# KiCad board panel.kicad_pcb
title: Helios; date: 2022-09-17; rev: rev1.0; company: 0xCB; note: Conor Burns
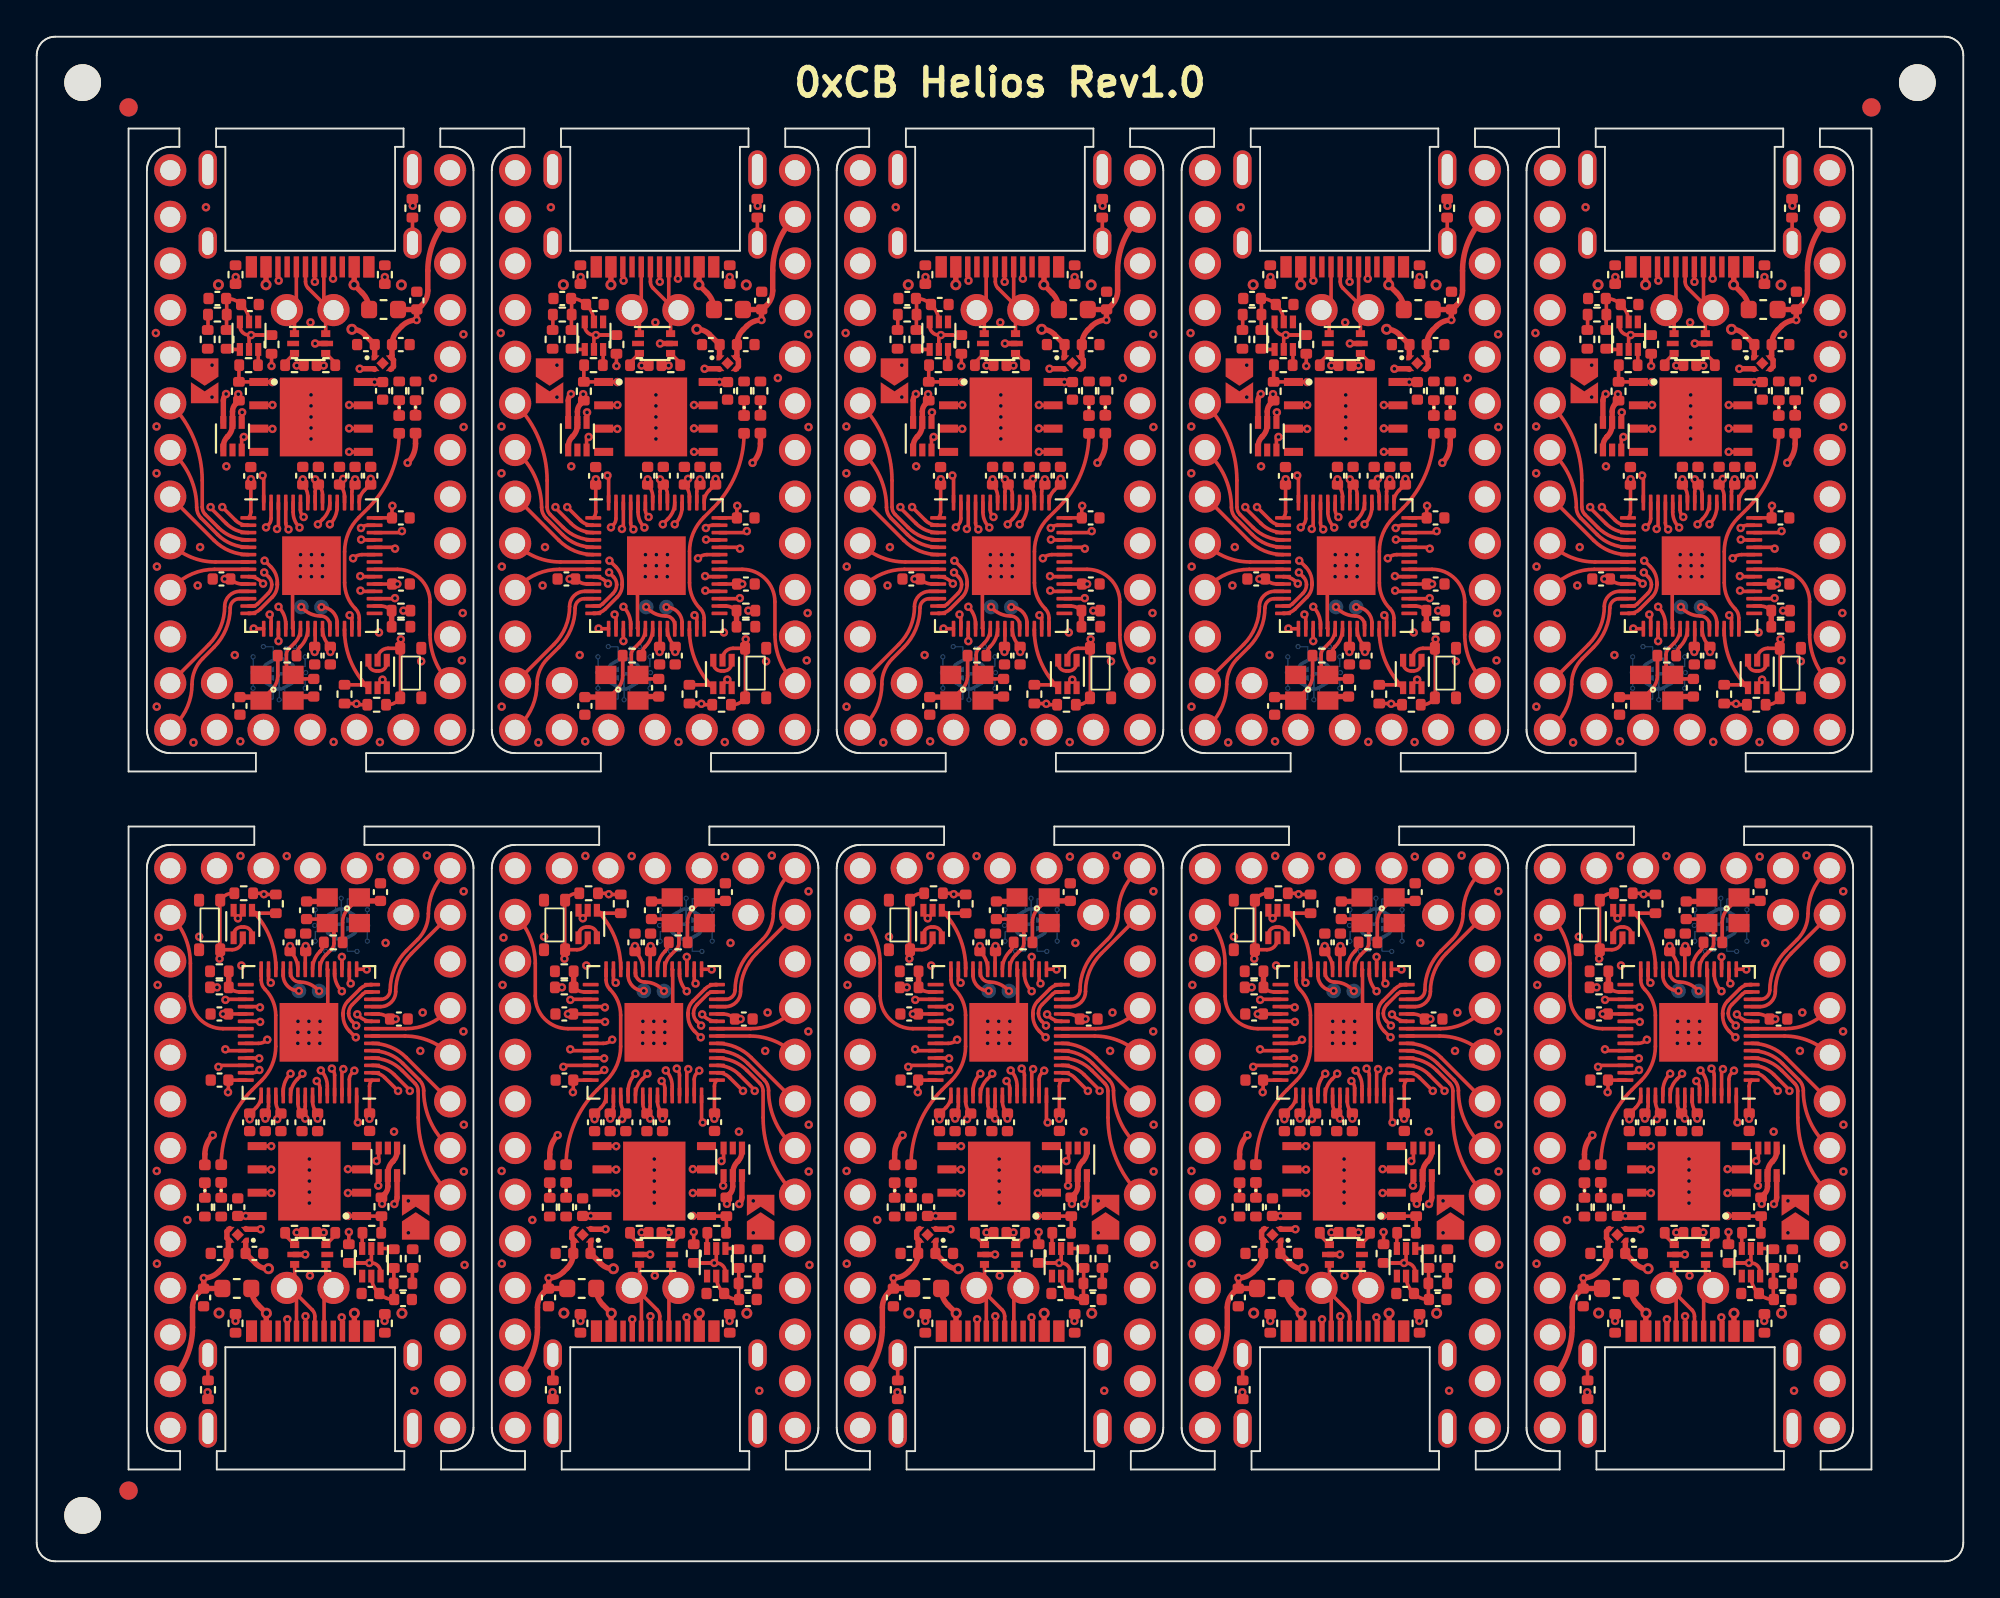
[diagram p0: board, top side]
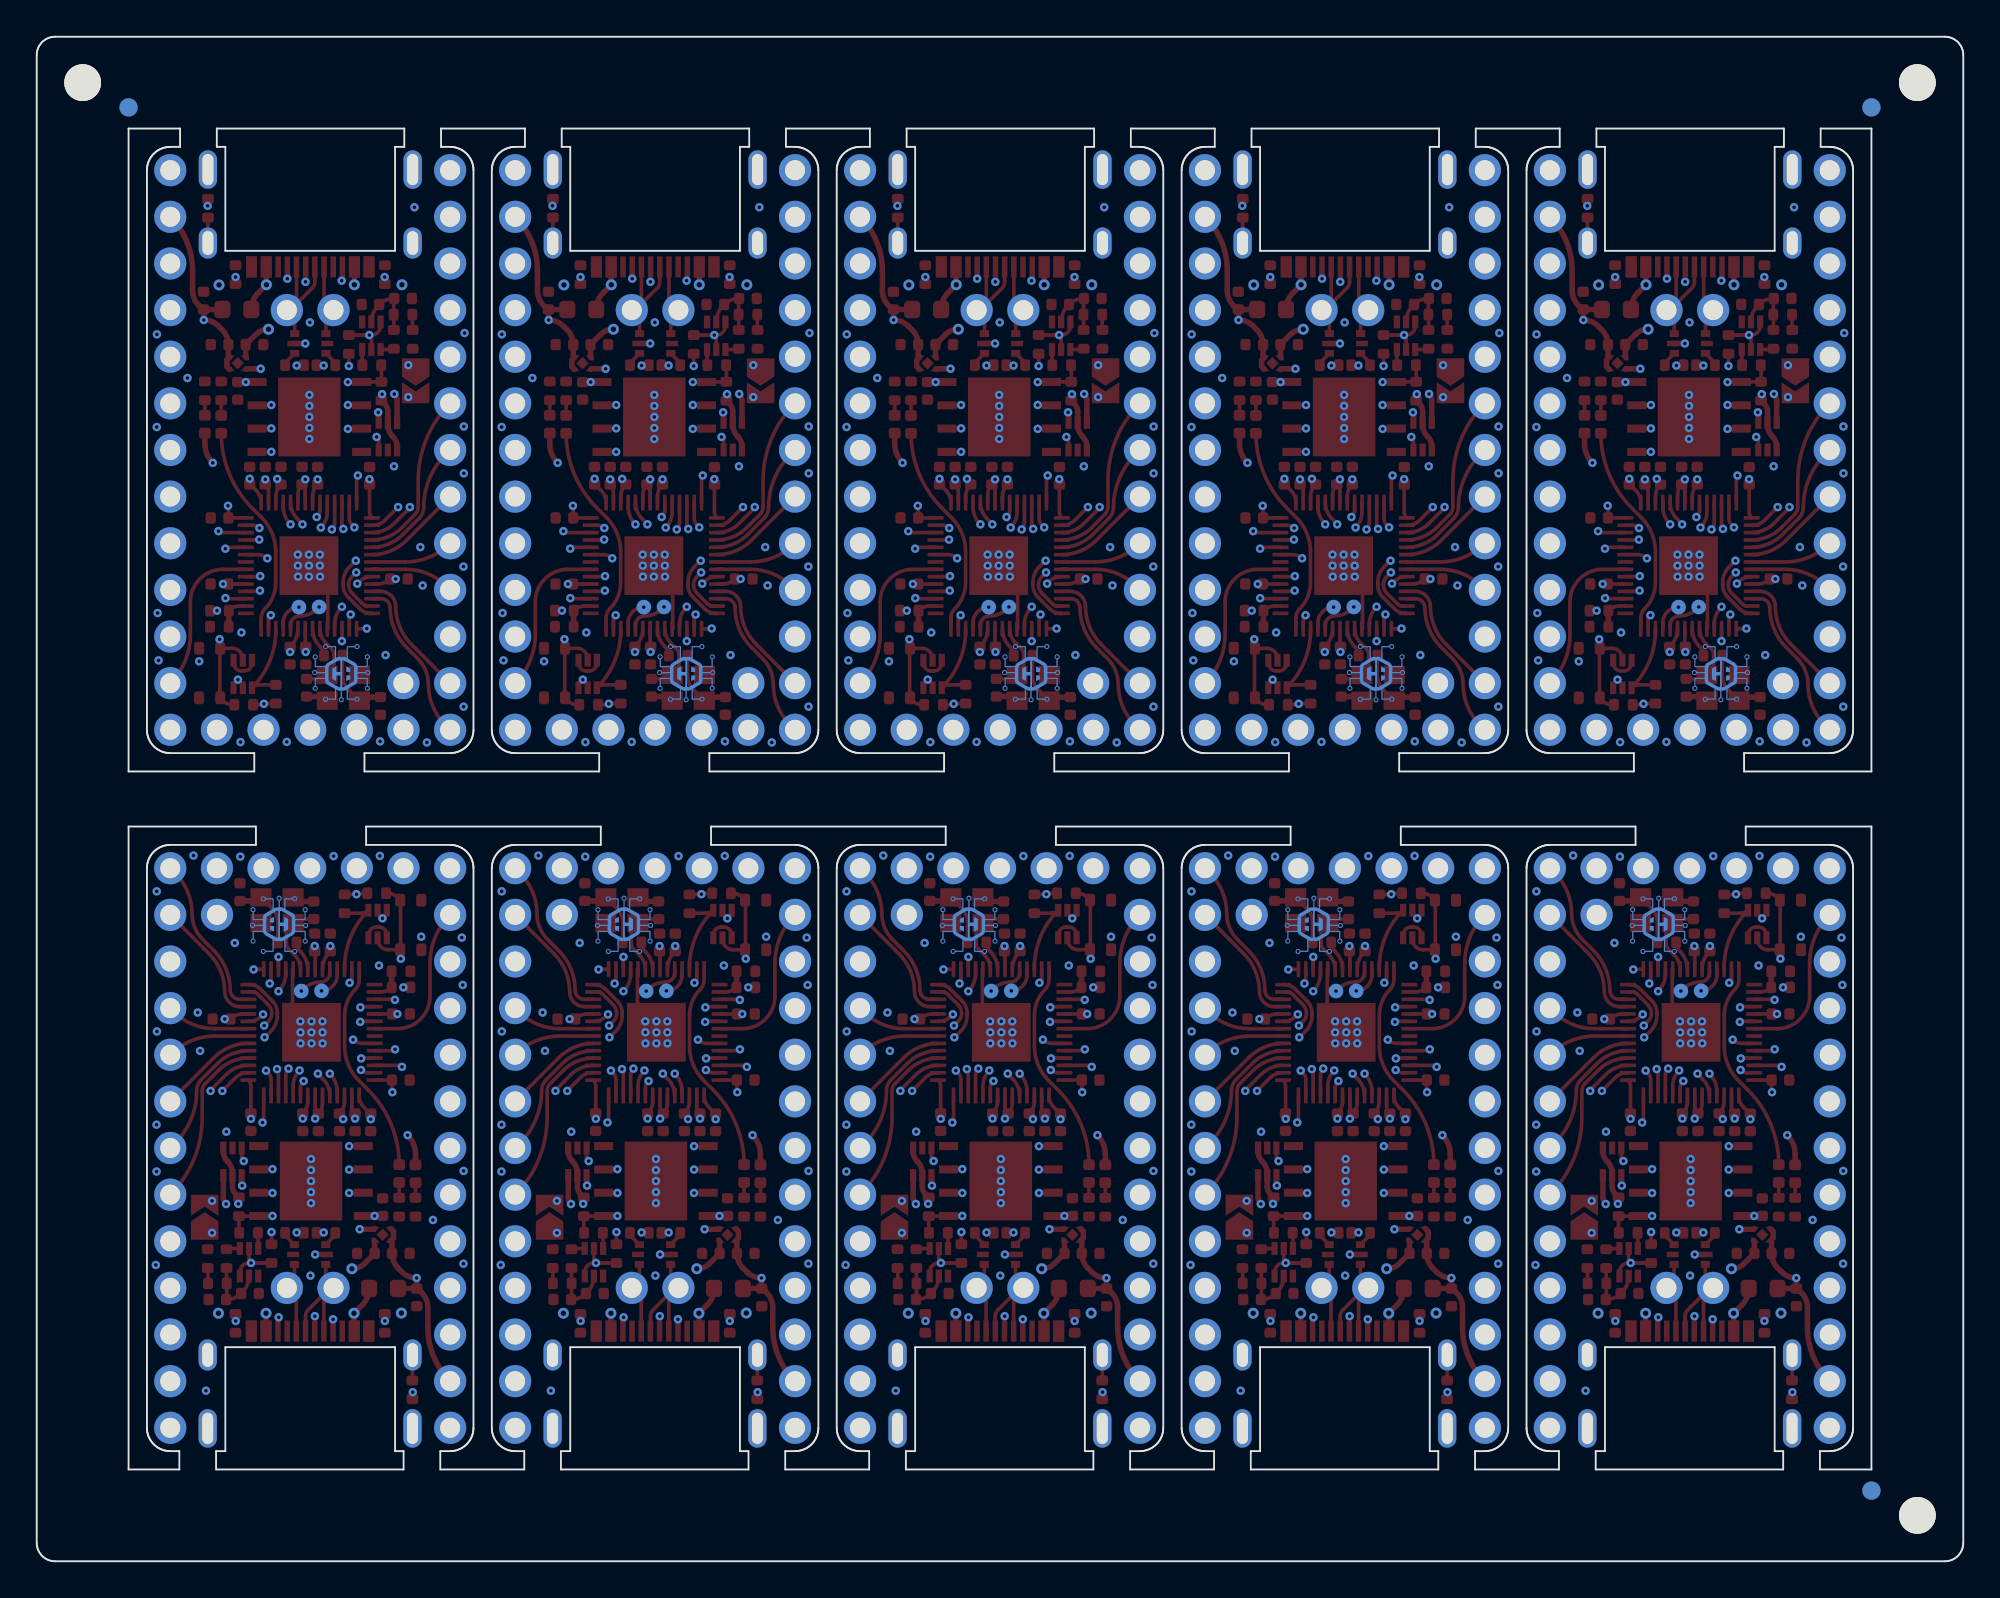
[diagram p1: board, bottom side, seen from below]

Outline 104.9 x 83.04 mm; copper layers: Top, In1.Cu, In2.Cu, Bottom. Coordinates in mm from the lower left corner of the outline.
Outline path: 0,82.04 0,1 0,0.9 0.02,0.8 0.04,0.71 0.08,0.62 0.12,0.53 0.17,0.44 0.23,0.37 0.29,0.29 0.37,0.23 0.44,0.17 0.53,0.12 0.62,0.08 0.71,0.04 0.8,0.02 0.9,0 1,0 103.9,0 104,0 104.1,0.02 104.19,0.04 104.28,0.08 104.37,0.12 104.46,0.17 104.53,0.23 104.61,0.29 104.67,0.37 104.73,0.44 104.78,0.53 104.82,0.62 104.86,0.71 104.88,0.8 104.9,0.9 104.9,1 104.9,82.04 104.9,82.14 104.88,82.24 104.86,82.33 104.82,82.42 104.78,82.51 104.73,82.6 104.67,82.67 104.61,82.75 104.53,82.81 104.46,82.87 104.37,82.92 104.28,82.96 104.19,83 104.1,83.02 104,83.04 103.9,83.04 1,83.04 0.9,83.04 0.8,83.02 0.71,83 0.62,82.96 0.53,82.92 0.44,82.87 0.37,82.81 0.29,82.75 0.23,82.67 0.17,82.6 0.12,82.51 0.08,82.42 0.04,82.33 0.02,82.24 0,82.14 0,82.04 ; 5,78.04 7.77,78.04 7.77,77.04 7.27,77.04 7.21,77.04 7.14,77.03 7.08,77.03 7.01,77.01 6.95,77 6.89,76.98 6.83,76.96 6.77,76.94 6.71,76.91 6.65,76.88 6.6,76.85 6.54,76.81 6.49,76.77 6.44,76.73 6.4,76.69 6.35,76.64 6.31,76.6 6.27,76.55 6.23,76.5 6.19,76.44 6.16,76.39 6.13,76.33 6.1,76.27 6.08,76.21 6.06,76.15 6.04,76.09 6.03,76.03 6.01,75.96 6.01,75.9 6,75.83 6,75.77 6,45.29 6,45.23 6.01,45.16 6.01,45.1 6.03,45.03 6.04,44.97 6.06,44.91 6.08,44.85 6.1,44.79 6.13,44.73 6.16,44.67 6.19,44.62 6.23,44.56 6.27,44.51 6.31,44.46 6.35,44.42 6.4,44.37 6.44,44.33 6.49,44.29 6.54,44.25 6.6,44.21 6.65,44.18 6.71,44.15 6.77,44.12 6.83,44.1 6.89,44.08 6.95,44.06 7.01,44.05 7.08,44.03 7.14,44.03 7.21,44.02 7.27,44.02 11.93,44.02 11.93,43.02 5,43.02 5,78.04 ; 5,40.02 11.84,40.02 11.84,39.02 7.27,39.02 7.21,39.02 7.14,39.01 7.08,39.01 7.01,38.99 6.95,38.98 6.89,38.96 6.83,38.94 6.77,38.92 6.71,38.89 6.65,38.86 6.6,38.83 6.54,38.79 6.49,38.75 6.44,38.71 6.4,38.67 6.35,38.62 6.31,38.58 6.27,38.53 6.23,38.48 6.19,38.42 6.16,38.37 6.13,38.31 6.1,38.25 6.08,38.19 6.06,38.13 6.04,38.07 6.03,38.01 6.01,37.94 6.01,37.88 6,37.81 6,37.75 6,7.27 6,7.21 6.01,7.14 6.01,7.08 6.03,7.01 6.04,6.95 6.06,6.89 6.08,6.83 6.1,6.77 6.13,6.71 6.16,6.65 6.19,6.6 6.23,6.54 6.27,6.49 6.31,6.44 6.35,6.4 6.4,6.35 6.44,6.31 6.49,6.27 6.54,6.23 6.6,6.19 6.65,6.16 6.71,6.13 6.77,6.1 6.83,6.08 6.89,6.06 6.95,6.04 7.01,6.03 7.08,6.01 7.14,6.01 7.21,6 7.27,6 7.8,6 7.8,5 5,5 5,40.02 ; 9.77,78.04 19.98,78.04 19.98,77.04 19.51,77.04 19.51,71.38 10.27,71.38 10.27,77.04 9.77,77.04 9.77,78.04 ; 9.8,6 10.27,6 10.27,11.66 19.51,11.66 19.51,6 20.02,6 20.02,5 9.8,5 9.8,6 ; 17.84,40.02 30.62,40.02 30.62,39.02 26.05,39.02 25.99,39.02 25.92,39.01 25.86,39.01 25.79,38.99 25.73,38.98 25.67,38.96 25.61,38.94 25.55,38.92 25.49,38.89 25.43,38.86 25.38,38.83 25.32,38.79 25.27,38.75 25.22,38.71 25.18,38.67 25.13,38.62 25.09,38.58 25.05,38.53 25.01,38.48 24.97,38.42 24.94,38.37 24.91,38.31 24.88,38.25 24.86,38.19 24.84,38.13 24.82,38.07 24.81,38.01 24.79,37.94 24.79,37.88 24.78,37.81 24.78,37.75 24.78,7.27 24.78,7.21 24.79,7.14 24.79,7.08 24.81,7.01 24.82,6.95 24.84,6.89 24.86,6.83 24.88,6.77 24.91,6.71 24.94,6.65 24.97,6.6 25.01,6.54 25.05,6.49 25.09,6.44 25.13,6.4 25.18,6.35 25.22,6.31 25.27,6.27 25.32,6.23 25.38,6.19 25.43,6.16 25.49,6.13 25.55,6.1 25.61,6.08 25.67,6.06 25.73,6.04 25.79,6.03 25.86,6.01 25.92,6.01 25.99,6 26.05,6 26.59,6 26.59,5 22.02,5 22.02,6 22.51,6 22.57,6 22.64,6.01 22.7,6.01 22.77,6.03 22.83,6.04 22.89,6.06 22.95,6.08 23.01,6.1 23.07,6.13 23.13,6.16 23.18,6.19 23.24,6.23 23.29,6.27 23.34,6.31 23.38,6.35 23.43,6.4 23.47,6.44 23.51,6.49 23.55,6.54 23.59,6.6 23.62,6.65 23.65,6.71 23.68,6.77 23.7,6.83 23.72,6.89 23.74,6.95 23.75,7.01 23.77,7.08 23.77,7.14 23.78,7.21 23.78,7.27 23.78,37.75 23.78,37.81 23.77,37.88 23.77,37.94 23.75,38.01 23.74,38.07 23.72,38.13 23.7,38.19 23.68,38.25 23.65,38.31 23.62,38.37 23.59,38.42 23.55,38.48 23.51,38.53 23.47,38.58 23.43,38.62 23.38,38.67 23.34,38.71 23.29,38.75 23.24,38.79 23.18,38.83 23.13,38.86 23.07,38.89 23.01,38.92 22.95,38.94 22.89,38.96 22.83,38.98 22.77,38.99 22.7,39.01 22.64,39.01 22.57,39.02 22.51,39.02 17.84,39.02 17.84,40.02 ; 17.94,44.02 22.51,44.02 22.57,44.02 22.64,44.03 22.7,44.03 22.77,44.05 22.83,44.06 22.89,44.08 22.95,44.1 23.01,44.12 23.07,44.15 23.13,44.18 23.18,44.21 23.24,44.25 23.29,44.29 23.34,44.33 23.38,44.37 23.43,44.42 23.47,44.46 23.51,44.51 23.55,44.56 23.59,44.62 23.62,44.67 23.65,44.73 23.68,44.79 23.7,44.85 23.72,44.91 23.74,44.97 23.75,45.03 23.77,45.1 23.77,45.16 23.78,45.23 23.78,45.29 23.78,75.77 23.78,75.83 23.77,75.9 23.77,75.96 23.75,76.03 23.74,76.09 23.72,76.15 23.7,76.21 23.68,76.27 23.65,76.33 23.62,76.39 23.59,76.44 23.55,76.5 23.51,76.55 23.47,76.6 23.43,76.64 23.38,76.69 23.34,76.73 23.29,76.77 23.24,76.81 23.18,76.85 23.13,76.88 23.07,76.91 23.01,76.94 22.95,76.96 22.89,76.98 22.83,77 22.77,77.01 22.7,77.03 22.64,77.03 22.57,77.04 22.51,77.04 21.98,77.04 21.98,78.04 26.55,78.04 26.55,77.04 26.05,77.04 25.99,77.04 25.92,77.03 25.86,77.03 25.79,77.01 25.73,77 25.67,76.98 25.61,76.96 25.55,76.94 25.49,76.91 25.43,76.88 25.38,76.85 25.32,76.81 25.27,76.77 25.22,76.73 25.18,76.69 25.13,76.64 25.09,76.6 25.05,76.55 25.01,76.5 24.97,76.44 24.94,76.39 24.91,76.33 24.88,76.27 24.86,76.21 24.84,76.15 24.82,76.09 24.81,76.03 24.79,75.96 24.79,75.9 24.78,75.83 24.78,75.77 24.78,45.29 24.78,45.23 24.79,45.16 24.79,45.1 24.81,45.03 24.82,44.97 24.84,44.91 24.86,44.85 24.88,44.79 24.91,44.73 24.94,44.67 24.97,44.62 25.01,44.56 25.05,44.51 25.09,44.46 25.13,44.42 25.18,44.37 25.22,44.33 25.27,44.29 25.32,44.25 25.38,44.21 25.43,44.18 25.49,44.15 25.55,44.12 25.61,44.1 25.67,44.08 25.73,44.06 25.79,44.05 25.86,44.03 25.92,44.03 25.99,44.02 26.05,44.02 30.72,44.02 30.72,43.02 17.94,43.02 17.94,44.02 ; 28.55,78.04 38.76,78.04 38.76,77.04 38.29,77.04 38.29,71.38 29.05,71.38 29.05,77.04 28.55,77.04 28.55,78.04 ; 28.59,6 29.05,6 29.05,11.66 38.29,11.66 38.29,6 38.8,6 38.8,5 28.59,5 28.59,6 ; 36.62,40.02 49.41,40.02 49.41,39.02 44.83,39.02 44.77,39.02 44.7,39.01 44.64,39.01 44.57,38.99 44.51,38.98 44.45,38.96 44.39,38.94 44.33,38.92 44.27,38.89 44.21,38.86 44.16,38.83 44.1,38.79 44.05,38.75 44,38.71 43.96,38.67 43.91,38.62 43.87,38.58 43.83,38.53 43.79,38.48 43.75,38.42 43.72,38.37 43.69,38.31 43.66,38.25 43.64,38.19 43.62,38.13 43.6,38.07 43.59,38.01 43.57,37.94 43.57,37.88 43.56,37.81 43.56,37.75 43.56,7.27 43.56,7.21 43.57,7.14 43.57,7.08 43.59,7.01 43.6,6.95 43.62,6.89 43.64,6.83 43.66,6.77 43.69,6.71 43.72,6.65 43.75,6.6 43.79,6.54 43.83,6.49 43.87,6.44 43.91,6.4 43.96,6.35 44,6.31 44.05,6.27 44.1,6.23 44.16,6.19 44.21,6.16 44.27,6.13 44.33,6.1 44.39,6.08 44.45,6.06 44.51,6.04 44.57,6.03 44.64,6.01 44.7,6.01 44.77,6 44.83,6 45.37,6 45.37,5 40.8,5 40.8,6 41.29,6 41.35,6 41.42,6.01 41.48,6.01 41.55,6.03 41.61,6.04 41.67,6.06 41.73,6.08 41.79,6.1 41.85,6.13 41.91,6.16 41.96,6.19 42.02,6.23 42.07,6.27 42.12,6.31 42.16,6.35 42.21,6.4 42.25,6.44 42.29,6.49 42.33,6.54 42.37,6.6 42.4,6.65 42.43,6.71 42.46,6.77 42.48,6.83 42.5,6.89 42.52,6.95 42.53,7.01 42.55,7.08 42.55,7.14 42.56,7.21 42.56,7.27 42.56,37.75 42.56,37.81 42.55,37.88 42.55,37.94 42.53,38.01 42.52,38.07 42.5,38.13 42.48,38.19 42.46,38.25 42.43,38.31 42.4,38.37 42.37,38.42 42.33,38.48 42.29,38.53 42.25,38.58 42.21,38.62 42.16,38.67 42.12,38.71 42.07,38.75 42.02,38.79 41.96,38.83 41.91,38.86 41.85,38.89 41.79,38.92 41.73,38.94 41.67,38.96 41.61,38.98 41.55,38.99 41.48,39.01 41.42,39.01 41.35,39.02 41.29,39.02 36.62,39.02 36.62,40.02 ; 36.72,44.02 41.29,44.02 41.35,44.02 41.42,44.03 41.48,44.03 41.55,44.05 41.61,44.06 41.67,44.08 41.73,44.1 41.79,44.12 41.85,44.15 41.91,44.18 41.96,44.21 42.02,44.25 42.07,44.29 42.12,44.33 42.16,44.37 42.21,44.42 42.25,44.46 42.29,44.51 42.33,44.56 42.37,44.62 42.4,44.67 42.43,44.73 42.46,44.79 42.48,44.85 42.5,44.91 42.52,44.97 42.53,45.03 42.55,45.1 42.55,45.16 42.56,45.23 42.56,45.29 42.56,75.77 42.56,75.83 42.55,75.9 42.55,75.96 42.53,76.03 42.52,76.09 42.5,76.15 42.48,76.21 42.46,76.27 42.43,76.33 42.4,76.39 42.37,76.44 42.33,76.5 42.29,76.55 42.25,76.6 42.21,76.64 42.16,76.69 42.12,76.73 42.07,76.77 42.02,76.81 41.96,76.85 41.91,76.88 41.85,76.91 41.79,76.94 41.73,76.96 41.67,76.98 41.61,77 41.55,77.01 41.48,77.03 41.42,77.03 41.35,77.04 41.29,77.04 40.76,77.04 40.76,78.04 45.33,78.04 45.33,77.04 44.83,77.04 44.77,77.04 44.7,77.03 44.64,77.03 44.57,77.01 44.51,77 44.45,76.98 44.39,76.96 44.33,76.94 44.27,76.91 44.21,76.88 44.16,76.85 44.1,76.81 44.05,76.77 44,76.73 43.96,76.69 43.91,76.64 43.87,76.6 43.83,76.55 43.79,76.5 43.75,76.44 43.72,76.39 43.69,76.33 43.66,76.27 43.64,76.21 43.62,76.15 43.6,76.09 43.59,76.03 43.57,75.96 43.57,75.9 43.56,75.83 43.56,75.77 43.56,45.29 43.56,45.23 43.57,45.16 43.57,45.1 43.59,45.03 43.6,44.97 43.62,44.91 43.64,44.85 43.66,44.79 43.69,44.73 43.72,44.67 43.75,44.62 43.79,44.56 43.83,44.51 43.87,44.46 43.91,44.42 43.96,44.37 44,44.33 44.05,44.29 44.1,44.25 44.16,44.21 44.21,44.18 44.27,44.15 44.33,44.12 44.39,44.1 44.45,44.08 44.51,44.06 44.57,44.05 44.64,44.03 44.7,44.03 44.77,44.02 44.83,44.02 49.5,44.02 49.5,43.02 36.72,43.02 36.72,44.02 ; 47.33,78.04 57.53,78.04 57.53,77.04 57.07,77.04 57.07,71.38 47.83,71.38 47.83,77.04 47.33,77.04 47.33,78.04 ; 47.37,6 47.83,6 47.83,11.66 57.07,11.66 57.07,6 57.58,6 57.58,5 47.37,5 47.37,6 ; 55.41,40.02 68.19,40.02 68.19,39.02 63.61,39.02 63.55,39.02 63.48,39.01 63.42,39.01 63.35,38.99 63.29,38.98 63.23,38.96 63.17,38.94 63.11,38.92 63.05,38.89 62.99,38.86 62.94,38.83 62.88,38.79 62.83,38.75 62.78,38.71 62.74,38.67 62.69,38.62 62.65,38.58 62.61,38.53 62.57,38.48 62.53,38.42 62.5,38.37 62.47,38.31 62.44,38.25 62.42,38.19 62.4,38.13 62.38,38.07 62.37,38.01 62.35,37.94 62.35,37.88 62.34,37.81 62.34,37.75 62.34,7.27 62.34,7.21 62.35,7.14 62.35,7.08 62.37,7.01 62.38,6.95 62.4,6.89 62.42,6.83 62.44,6.77 62.47,6.71 62.5,6.65 62.53,6.6 62.57,6.54 62.61,6.49 62.65,6.44 62.69,6.4 62.74,6.35 62.78,6.31 62.83,6.27 62.88,6.23 62.94,6.19 62.99,6.16 63.05,6.13 63.11,6.1 63.17,6.08 63.23,6.06 63.29,6.04 63.35,6.03 63.42,6.01 63.48,6.01 63.55,6 63.61,6 64.14,6 64.14,5 59.58,5 59.58,6 60.07,6 60.13,6 60.2,6.01 60.26,6.01 60.33,6.03 60.39,6.04 60.45,6.06 60.51,6.08 60.57,6.1 60.63,6.13 60.69,6.16 60.74,6.19 60.8,6.23 60.85,6.27 60.9,6.31 60.94,6.35 60.99,6.4 61.03,6.44 61.07,6.49 61.11,6.54 61.15,6.6 61.18,6.65 61.21,6.71 61.24,6.77 61.26,6.83 61.28,6.89 61.3,6.95 61.31,7.01 61.33,7.08 61.33,7.14 61.34,7.21 61.34,7.27 61.34,37.75 61.34,37.81 61.33,37.88 61.33,37.94 61.31,38.01 61.3,38.07 61.28,38.13 61.26,38.19 61.24,38.25 61.21,38.31 61.18,38.37 61.15,38.42 61.11,38.48 61.07,38.53 61.03,38.58 60.99,38.62 60.94,38.67 60.9,38.71 60.85,38.75 60.8,38.79 60.74,38.83 60.69,38.86 60.63,38.89 60.57,38.92 60.51,38.94 60.45,38.96 60.39,38.98 60.33,38.99 60.26,39.01 60.2,39.01 60.13,39.02 60.07,39.02 55.41,39.02 55.41,40.02 ; 55.5,44.02 60.07,44.02 60.13,44.02 60.2,44.03 60.26,44.03 60.33,44.05 60.39,44.06 60.45,44.08 60.51,44.1 60.57,44.12 60.63,44.15 60.69,44.18 60.74,44.21 60.8,44.25 60.85,44.29 60.9,44.33 60.94,44.37 60.99,44.42 61.03,44.46 61.07,44.51 61.11,44.56 61.15,44.62 61.18,44.67 61.21,44.73 61.24,44.79 61.26,44.85 61.28,44.91 61.3,44.97 61.31,45.03 61.33,45.1 61.33,45.16 61.34,45.23 61.34,45.29 61.34,75.77 61.34,75.83 61.33,75.9 61.33,75.96 61.31,76.03 61.3,76.09 61.28,76.15 61.26,76.21 61.24,76.27 61.21,76.33 61.18,76.39 61.15,76.44 61.11,76.5 61.07,76.55 61.03,76.6 60.99,76.64 60.94,76.69 60.9,76.73 60.85,76.77 60.8,76.81 60.74,76.85 60.69,76.88 60.63,76.91 60.57,76.94 60.51,76.96 60.45,76.98 60.39,77 60.33,77.01 60.26,77.03 60.2,77.03 60.13,77.04 60.07,77.04 59.53,77.04 59.53,78.04 64.11,78.04 64.11,77.04 63.61,77.04 63.55,77.04 63.48,77.03 63.42,77.03 63.35,77.01 63.29,77 63.23,76.98 63.17,76.96 63.11,76.94 63.05,76.91 62.99,76.88 62.94,76.85 62.88,76.81 62.83,76.77 62.78,76.73 62.74,76.69 62.69,76.64 62.65,76.6 62.61,76.55 62.57,76.5 62.53,76.44 62.5,76.39 62.47,76.33 62.44,76.27 62.42,76.21 62.4,76.15 62.38,76.09 62.37,76.03 62.35,75.96 62.35,75.9 62.34,75.83 62.34,75.77 62.34,45.29 62.34,45.23 62.35,45.16 62.35,45.1 62.37,45.03 62.38,44.97 62.4,44.91 62.42,44.85 62.44,44.79 62.47,44.73 62.5,44.67 62.53,44.62 62.57,44.56 62.61,44.51 62.65,44.46 62.69,44.42 62.74,44.37 62.78,44.33 62.83,44.29 62.88,44.25 62.94,44.21 62.99,44.18 63.05,44.15 63.11,44.12 63.17,44.1 63.23,44.08 63.29,44.06 63.35,44.05 63.42,44.03 63.48,44.03 63.55,44.02 63.61,44.02 68.28,44.02 68.28,43.02 55.5,43.02 55.5,44.02 ; 66.11,78.04 76.31,78.04 76.31,77.04 75.85,77.04 75.85,71.38 66.61,71.38 66.61,77.04 66.11,77.04 66.11,78.04 ; 66.14,6 66.61,6 66.61,11.66 75.85,11.66 75.85,6 76.36,6 76.36,5 66.14,5 66.14,6 ; 74.19,40.02 86.97,40.02 86.97,39.02 82.39,39.02 82.33,39.02 82.26,39.01 82.2,39.01 82.13,38.99 82.07,38.98 82.01,38.96 81.95,38.94 81.89,38.92 81.83,38.89 81.77,38.86 81.72,38.83 81.66,38.79 81.61,38.75 81.56,38.71 81.52,38.67 81.47,38.62 81.43,38.58 81.39,38.53 81.35,38.48 81.31,38.42 81.28,38.37 81.25,38.31 81.22,38.25 81.2,38.19 81.18,38.13 81.16,38.07 81.15,38.01 81.13,37.94 81.13,37.88 81.12,37.81 81.12,37.75 81.12,7.27 81.12,7.21 81.13,7.14 81.13,7.08 81.15,7.01 81.16,6.95 81.18,6.89 81.2,6.83 81.22,6.77 81.25,6.71 81.28,6.65 81.31,6.6 81.35,6.54 81.39,6.49 81.43,6.44 81.47,6.4 81.52,6.35 81.56,6.31 81.61,6.27 81.66,6.23 81.72,6.19 81.77,6.16 81.83,6.13 81.89,6.1 81.95,6.08 82.01,6.06 82.07,6.04 82.13,6.03 82.2,6.01 82.26,6.01 82.33,6 82.39,6 82.92,6 82.92,5 78.36,5 78.36,6 78.85,6 78.91,6 78.98,6.01 79.04,6.01 79.11,6.03 79.17,6.04 79.23,6.06 79.29,6.08 79.35,6.1 79.41,6.13 79.47,6.16 79.52,6.19 79.58,6.23 79.63,6.27 79.68,6.31 79.72,6.35 79.77,6.4 79.81,6.44 79.85,6.49 79.89,6.54 79.93,6.6 79.96,6.65 79.99,6.71 80.02,6.77 80.04,6.83 80.06,6.89 80.08,6.95 80.09,7.01 80.11,7.08 80.11,7.14 80.12,7.21 80.12,7.27 80.12,37.75 80.12,37.81 80.11,37.88 80.11,37.94 80.09,38.01 80.08,38.07 80.06,38.13 80.04,38.19 80.02,38.25 79.99,38.31 79.96,38.37 79.93,38.42 79.89,38.48 79.85,38.53 79.81,38.58 79.77,38.62 79.72,38.67 79.68,38.71 79.63,38.75 79.58,38.79 79.52,38.83 79.47,38.86 79.41,38.89 79.35,38.92 79.29,38.94 79.23,38.96 79.17,38.98 79.11,38.99 79.04,39.01 78.98,39.01 78.91,39.02 78.85,39.02 74.19,39.02 74.19,40.02 ; 74.28,44.02 78.85,44.02 78.91,44.02 78.98,44.03 79.04,44.03 79.11,44.05 79.17,44.06 79.23,44.08 79.29,44.1 79.35,44.12 79.41,44.15 79.47,44.18 79.52,44.21 79.58,44.25 79.63,44.29 79.68,44.33 79.72,44.37 79.77,44.42 79.81,44.46 79.85,44.51 79.89,44.56 79.93,44.62 79.96,44.67 79.99,44.73 80.02,44.79 80.04,44.85 80.06,44.91 80.08,44.97 80.09,45.03 80.11,45.1 80.11,45.16 80.12,45.23 80.12,45.29 80.12,75.77 80.12,75.83 80.11,75.9 80.11,75.96 80.09,76.03 80.08,76.09 80.06,76.15 80.04,76.21 80.02,76.27 79.99,76.33 79.96,76.39 79.93,76.44 79.89,76.5 79.85,76.55 79.81,76.6 79.77,76.64 79.72,76.69 79.68,76.73 79.63,76.77 79.58,76.81 79.52,76.85 79.47,76.88 79.41,76.91 79.35,76.94 79.29,76.96 79.23,76.98 79.17,77 79.11,77.01 79.04,77.03 78.98,77.03 78.91,77.04 78.85,77.04 78.31,77.04 78.31,78.04 82.89,78.04 82.89,77.04 82.39,77.04 82.33,77.04 82.26,77.03 82.2,77.03 82.13,77.01 82.07,77 82.01,76.98 81.95,76.96 81.89,76.94 81.83,76.91 81.77,76.88 81.72,76.85 81.66,76.81 81.61,76.77 81.56,76.73 81.52,76.69 81.47,76.64 81.43,76.6 81.39,76.55 81.35,76.5 81.31,76.44 81.28,76.39 81.25,76.33 81.22,76.27 81.2,76.21 81.18,76.15 81.16,76.09 81.15,76.03 81.13,75.96 81.13,75.9 81.12,75.83 81.12,75.77 81.12,45.29 81.12,45.23 81.13,45.16 81.13,45.1 81.15,45.03 81.16,44.97 81.18,44.91 81.2,44.85 81.22,44.79 81.25,44.73 81.28,44.67 81.31,44.62 81.35,44.56 81.39,44.51 81.43,44.46 81.47,44.42 81.52,44.37 81.56,44.33 81.61,44.29 81.66,44.25 81.72,44.21 81.77,44.18 81.83,44.15 81.89,44.12 81.95,44.1 82.01,44.08 82.07,44.06 82.13,44.05 82.2,44.03 82.26,44.03 82.33,44.02 82.39,44.02 87.06,44.02 87.06,43.02 74.28,43.02 74.28,44.02 ; 84.89,78.04 95.09,78.04 95.09,77.04 94.63,77.04 94.63,71.38 85.39,71.38 85.39,77.04 84.89,77.04 84.89,78.04 ; 84.92,6 85.39,6 85.39,11.66 94.63,11.66 94.63,6 95.14,6 95.14,5 84.92,5 84.92,6 ; 92.97,40.02 99.9,40.02 99.9,5 97.14,5 97.14,6 97.63,6 97.69,6 97.76,6.01 97.82,6.01 97.89,6.03 97.95,6.04 98.01,6.06 98.07,6.08 98.13,6.1 98.19,6.13 98.25,6.16 98.3,6.19 98.36,6.23 98.41,6.27 98.46,6.31 98.5,6.35 98.55,6.4 98.59,6.44 98.63,6.49 98.67,6.54 98.71,6.6 98.74,6.65 98.77,6.71 98.8,6.77 98.82,6.83 98.84,6.89 98.86,6.95 98.87,7.01 98.89,7.08 98.89,7.14 98.9,7.21 98.9,7.27 98.9,37.75 98.9,37.81 98.89,37.88 98.89,37.94 98.87,38.01 98.86,38.07 98.84,38.13 98.82,38.19 98.8,38.25 98.77,38.31 98.74,38.37 98.71,38.42 98.67,38.48 98.63,38.53 98.59,38.58 98.55,38.62 98.5,38.67 98.46,38.71 98.41,38.75 98.36,38.79 98.3,38.83 98.25,38.86 98.19,38.89 98.13,38.92 98.07,38.94 98.01,38.96 97.95,38.98 97.89,38.99 97.82,39.01 97.76,39.01 97.69,39.02 97.63,39.02 92.97,39.02 92.97,40.02 ; 93.06,44.02 97.63,44.02 97.69,44.02 97.76,44.03 97.82,44.03 97.89,44.05 97.95,44.06 98.01,44.08 98.07,44.1 98.13,44.12 98.19,44.15 98.25,44.18 98.3,44.21 98.36,44.25 98.41,44.29 98.46,44.33 98.5,44.37 98.55,44.42 98.59,44.46 98.63,44.51 98.67,44.56 98.71,44.62 98.74,44.67 98.77,44.73 98.8,44.79 98.82,44.85 98.84,44.91 98.86,44.97 98.87,45.03 98.89,45.1 98.89,45.16 98.9,45.23 98.9,45.29 98.9,75.77 98.9,75.83 98.89,75.9 98.89,75.96 98.87,76.03 98.86,76.09 98.84,76.15 98.82,76.21 98.8,76.27 98.77,76.33 98.74,76.39 98.71,76.44 98.67,76.5 98.63,76.55 98.59,76.6 98.55,76.64 98.5,76.69 98.46,76.73 98.41,76.77 98.36,76.81 98.3,76.85 98.25,76.88 98.19,76.91 98.13,76.94 98.07,76.96 98.01,76.98 97.95,77 97.89,77.01 97.82,77.03 97.76,77.03 97.69,77.04 97.63,77.04 97.09,77.04 97.09,78.04 99.9,78.04 99.9,43.02 93.06,43.02 93.06,44.02
Stack: Top 0.035mm / dielectric 0.2104mm 7628*1 er 4.5 / In1.Cu 0.0152mm / dielectric 1.065mm FR4 er 4.5 / In2.Cu 0.0152mm / dielectric 0.2104mm 7628*1 er 4.5 / Bottom 0.035mm

## Placement (name value [footprint] x y rotation side)
C1  4u7  [C_0402_1005Metric]  57.5 14.26 0 top
C1#2  4u7  [C_0402_1005Metric]  19.95 14.26 0 top
C1#3  4u7  [C_0402_1005Metric]  84.95 68.78 180 top
C1#4  4u7  [C_0402_1005Metric]  9.84 68.78 180 top
C1#5  4u7  [C_0402_1005Metric]  38.73 14.26 0 top
C1#6  4u7  [C_0402_1005Metric]  28.62 68.78 180 top
C1#7  4u7  [C_0402_1005Metric]  47.4 68.78 180 top
C1#8  4u7  [C_0402_1005Metric]  95.06 14.26 0 top
C1#9  4u7  [C_0402_1005Metric]  66.17 68.78 180 top
C1#10  4u7  [C_0402_1005Metric]  76.28 14.26 0 top
C2  10u  [C_0402_1005Metric]  18.17 14.59 180 top
C2#2  10u  [C_0402_1005Metric]  49.17 68.46 0 top
C2#3  10u  [C_0402_1005Metric]  74.51 14.59 180 top
C2#4  10u  [C_0402_1005Metric]  30.39 68.46 0 top
C2#5  10u  [C_0402_1005Metric]  11.61 68.46 0 top
C2#6  10u  [C_0402_1005Metric]  86.73 68.46 0 top
C2#7  10u  [C_0402_1005Metric]  55.73 14.59 180 top
C2#8  10u  [C_0402_1005Metric]  36.95 14.59 180 top
C2#9  10u  [C_0402_1005Metric]  93.29 14.59 180 top
C2#10  10u  [C_0402_1005Metric]  67.95 68.46 0 top
C3  10u  [C_0402_1005Metric]  84.2 14.37 270 top
C3#2  10u  [C_0402_1005Metric]  58.25 68.67 90 top
C3#3  10u  [C_0402_1005Metric]  20.7 68.67 90 top
C3#4  10u  [C_0402_1005Metric]  39.48 68.67 90 top
C3#5  10u  [C_0402_1005Metric]  77.03 68.67 90 top
C3#6  10u  [C_0402_1005Metric]  27.87 14.37 270 top
C3#7  10u  [C_0402_1005Metric]  9.09 14.37 270 top
C3#8  10u  [C_0402_1005Metric]  65.42 14.37 270 top
C3#9  10u  [C_0402_1005Metric]  95.81 68.67 90 top
C3#10  10u  [C_0402_1005Metric]  46.65 14.37 270 top
C4  10u  [C_0402_1005Metric]  76.17 66.27 0 top
C4#2  10u  [C_0402_1005Metric]  66.3 16.77 180 top
C4#3  10u  [C_0402_1005Metric]  57.39 66.27 0 top
C4#4  10u  [C_0402_1005Metric]  9.95 16.77 180 top
C4#5  10u  [C_0402_1005Metric]  47.52 16.77 180 top
C4#6  10u  [C_0402_1005Metric]  94.94 66.27 0 top
C4#7  10u  [C_0402_1005Metric]  19.83 66.27 0 top
C4#8  10u  [C_0402_1005Metric]  85.08 16.77 180 top
C4#9  10u  [C_0402_1005Metric]  28.73 16.77 180 top
C4#10  10u  [C_0402_1005Metric]  38.6 66.27 0 top
C5  10u  [C_0402_1005Metric]  86.97 16.77 0 top
C5#2  10u  [C_0402_1005Metric]  30.63 16.77 0 top
C5#3  10u  [C_0402_1005Metric]  93.05 66.27 180 top
C5#4  10u  [C_0402_1005Metric]  55.48 66.27 180 top
C5#5  10u  [C_0402_1005Metric]  36.7 66.27 180 top
C5#6  10u  [C_0402_1005Metric]  17.92 66.27 180 top
C5#7  10u  [C_0402_1005Metric]  74.27 66.27 180 top
C5#8  10u  [C_0402_1005Metric]  68.19 16.77 0 top
C5#9  10u  [C_0402_1005Metric]  11.86 16.77 0 top
C5#10  10u  [C_0402_1005Metric]  49.42 16.77 0 top
C6  100n  [C_0402_1005Metric]  10.95 19.29 90 top
C6#2  100n  [C_0402_1005Metric]  48.51 19.29 90 top
C6#3  100n  [C_0402_1005Metric]  86.06 19.29 90 top
C6#4  100n  [C_0402_1005Metric]  67.28 19.29 90 top
C6#5  100n  [C_0402_1005Metric]  75.17 63.75 270 top
C6#6  100n  [C_0402_1005Metric]  29.73 19.29 90 top
C6#7  100n  [C_0402_1005Metric]  93.95 63.75 270 top
C6#8  100n  [C_0402_1005Metric]  18.84 63.75 270 top
C6#9  100n  [C_0402_1005Metric]  37.62 63.75 270 top
C6#10  100n  [C_0402_1005Metric]  56.39 63.75 270 top
C7  15p  [C_0402_1005Metric]  15.09 47.58 90 top
C7#2  15p  [C_0402_1005Metric]  33.87 47.58 90 top
C7#3  15p  [C_0402_1005Metric]  89.81 35.46 270 top
C7#4  15p  [C_0402_1005Metric]  52.64 47.58 90 top
C7#5  15p  [C_0402_1005Metric]  33.48 35.46 270 top
C7#6  15p  [C_0402_1005Metric]  14.7 35.46 270 top
C7#7  15p  [C_0402_1005Metric]  52.25 35.46 270 top
C7#8  15p  [C_0402_1005Metric]  71.03 35.46 270 top
C7#9  15p  [C_0402_1005Metric]  71.42 47.58 90 top
C7#10  15p  [C_0402_1005Metric]  90.2 47.58 90 top
C8  15p  [C_0402_1005Metric]  56.28 36.45 270 top
C8#2  15p  [C_0402_1005Metric]  18.72 36.45 270 top
C8#3  15p  [C_0402_1005Metric]  67.41 46.59 90 top
C8#4  15p  [C_0402_1005Metric]  37.49 36.45 270 top
C8#5  15p  [C_0402_1005Metric]  93.83 36.45 270 top
C8#6  15p  [C_0402_1005Metric]  48.62 46.59 90 top
C8#7  15p  [C_0402_1005Metric]  11.07 46.59 90 top
C8#8  15p  [C_0402_1005Metric]  86.19 46.59 90 top
C8#9  15p  [C_0402_1005Metric]  29.84 46.59 90 top
C8#10  15p  [C_0402_1005Metric]  75.06 36.45 270 top
C9  1u  [C_0402_1005Metric]  87.56 23.91 90 top
C9#2  1u  [C_0402_1005Metric]  68.78 23.91 90 top
C9#3  1u  [C_0402_1005Metric]  12.45 23.91 90 top
C9#4  1u  [C_0402_1005Metric]  73.67 59.13 270 top
C9#5  1u  [C_0402_1005Metric]  17.34 59.13 270 top
C9#6  1u  [C_0402_1005Metric]  31.23 23.91 90 top
C9#7  1u  [C_0402_1005Metric]  54.89 59.13 270 top
C9#8  1u  [C_0402_1005Metric]  50 23.91 90 top
C9#9  1u  [C_0402_1005Metric]  92.45 59.13 270 top
C9#10  1u  [C_0402_1005Metric]  36.12 59.13 270 top
C10  1u  [C_0402_1005Metric]  50.86 23.91 90 top
C10#2  1u  [C_0402_1005Metric]  54.05 59.13 270 top
C10#3  1u  [C_0402_1005Metric]  13.3 23.91 90 top
C10#4  1u  [C_0402_1005Metric]  72.83 59.13 270 top
C10#5  1u  [C_0402_1005Metric]  91.61 59.13 270 top
C10#6  1u  [C_0402_1005Metric]  88.42 23.91 90 top
C10#7  1u  [C_0402_1005Metric]  16.48 59.13 270 top
C10#8  1u  [C_0402_1005Metric]  69.64 23.91 90 top
C10#9  1u  [C_0402_1005Metric]  32.08 23.91 90 top
C10#10  1u  [C_0402_1005Metric]  35.27 59.13 270 top
C11  100n  [C_0402_1005Metric]  70.98 33.71 90 top
C11#2  100n  [C_0402_1005Metric]  90.25 49.33 270 top
C11#3  100n  [C_0402_1005Metric]  33.91 49.33 270 top
C11#4  100n  [C_0402_1005Metric]  15.14 49.33 270 top
C11#5  100n  [C_0402_1005Metric]  89.77 33.71 90 top
C11#6  100n  [C_0402_1005Metric]  14.64 33.71 90 top
C11#7  100n  [C_0402_1005Metric]  33.42 33.71 90 top
C11#8  100n  [C_0402_1005Metric]  52.2 33.71 90 top
C11#9  100n  [C_0402_1005Metric]  71.47 49.33 270 top
C11#10  100n  [C_0402_1005Metric]  52.69 49.33 270 top
C12  100n  [C_0402_1005Metric]  66.28 29.81 180 top
C12#2  100n  [C_0402_1005Metric]  38.62 53.23 0 top
C12#3  100n  [C_0402_1005Metric]  57.39 53.23 0 top
C12#4  100n  [C_0402_1005Metric]  47.51 29.81 180 top
C12#5  100n  [C_0402_1005Metric]  76.17 53.23 0 top
C12#6  100n  [C_0402_1005Metric]  28.73 29.81 180 top
C12#7  100n  [C_0402_1005Metric]  94.95 53.23 0 top
C12#8  100n  [C_0402_1005Metric]  9.95 29.81 180 top
C12#9  100n  [C_0402_1005Metric]  19.84 53.23 0 top
C12#10  100n  [C_0402_1005Metric]  85.06 29.81 180 top
C13  100n  [C_0402_1005Metric]  85.08 26.21 180 top
C13#2  100n  [C_0402_1005Metric]  19.83 56.83 0 top
C13#3  100n  [C_0402_1005Metric]  57.39 56.83 0 top
C13#4  100n  [C_0402_1005Metric]  38.6 56.83 0 top
C13#5  100n  [C_0402_1005Metric]  47.52 26.21 180 top
C13#6  100n  [C_0402_1005Metric]  66.3 26.21 180 top
C13#7  100n  [C_0402_1005Metric]  28.73 26.21 180 top
C13#8  100n  [C_0402_1005Metric]  94.94 56.83 0 top
C13#9  100n  [C_0402_1005Metric]  9.95 26.21 180 top
C13#10  100n  [C_0402_1005Metric]  76.17 56.83 0 top
C14  100n  [C_0402_1005Metric]  15.34 59.13 90 top
C14#2  100n  [C_0402_1005Metric]  71.67 59.13 90 top
C14#3  100n  [C_0402_1005Metric]  70.78 23.91 270 top
C14#4  100n  [C_0402_1005Metric]  90.45 59.13 90 top
C14#5  100n  [C_0402_1005Metric]  14.45 23.91 270 top
C14#6  100n  [C_0402_1005Metric]  52 23.91 270 top
C14#7  100n  [C_0402_1005Metric]  34.12 59.13 90 top
C14#8  100n  [C_0402_1005Metric]  52.89 59.13 90 top
C14#9  100n  [C_0402_1005Metric]  89.56 23.91 270 top
C14#10  100n  [C_0402_1005Metric]  33.23 23.91 270 top
C15  100n  [C_0402_1005Metric]  28.84 53.51 180 top
C15#2  100n  [C_0402_1005Metric]  19.72 29.54 0 top
C15#3  100n  [C_0402_1005Metric]  94.84 29.54 0 top
C15#4  100n  [C_0402_1005Metric]  38.5 29.54 0 top
C15#5  100n  [C_0402_1005Metric]  85.18 53.51 180 top
C15#6  100n  [C_0402_1005Metric]  57.28 29.54 0 top
C15#7  100n  [C_0402_1005Metric]  47.62 53.51 180 top
C15#8  100n  [C_0402_1005Metric]  10.06 53.51 180 top
C15#9  100n  [C_0402_1005Metric]  76.06 29.54 0 top
C15#10  100n  [C_0402_1005Metric]  66.4 53.51 180 top
C16  100n  [C_0402_1005Metric]  30.44 59.12 90 top
C16#2  100n  [C_0402_1005Metric]  18.12 23.92 270 top
C16#3  100n  [C_0402_1005Metric]  55.69 23.92 270 top
C16#4  100n  [C_0402_1005Metric]  74.47 23.92 270 top
C16#5  100n  [C_0402_1005Metric]  93.25 23.92 270 top
C16#6  100n  [C_0402_1005Metric]  68 59.12 90 top
C16#7  100n  [C_0402_1005Metric]  11.66 59.12 90 top
C16#8  100n  [C_0402_1005Metric]  49.22 59.12 90 top
C16#9  100n  [C_0402_1005Metric]  36.91 23.92 270 top
C16#10  100n  [C_0402_1005Metric]  86.78 59.12 90 top
C17  100n  [C_0402_1005Metric]  14.48 59.13 90 top
C17#2  100n  [C_0402_1005Metric]  52.05 59.13 90 top
C17#3  100n  [C_0402_1005Metric]  34.08 23.91 270 top
C17#4  100n  [C_0402_1005Metric]  90.42 23.91 270 top
C17#5  100n  [C_0402_1005Metric]  70.83 59.13 90 top
C17#6  100n  [C_0402_1005Metric]  33.27 59.13 90 top
C17#7  100n  [C_0402_1005Metric]  89.61 59.13 90 top
C17#8  100n  [C_0402_1005Metric]  52.86 23.91 270 top
C17#9  100n  [C_0402_1005Metric]  71.64 23.91 270 top
C17#10  100n  [C_0402_1005Metric]  15.3 23.91 270 top
C18  100n  [C_0402_1005Metric]  74.53 59.13 90 top
C18#2  100n  [C_0402_1005Metric]  11.59 23.91 270 top
C18#3  100n  [C_0402_1005Metric]  67.94 23.91 270 top
C18#4  100n  [C_0402_1005Metric]  55.75 59.13 90 top
C18#5  100n  [C_0402_1005Metric]  86.72 23.91 270 top
C18#6  100n  [C_0402_1005Metric]  18.19 59.13 90 top
C18#7  100n  [C_0402_1005Metric]  36.97 59.13 90 top
C18#8  100n  [C_0402_1005Metric]  93.31 59.13 90 top
C18#9  100n  [C_0402_1005Metric]  30.38 23.91 270 top
C18#10  100n  [C_0402_1005Metric]  49.16 23.91 270 top
C19  100n  [C_0402_1005Metric]  51.36 33.71 90 top
C19#2  100n  [C_0402_1005Metric]  72.33 49.33 270 top
C19#3  100n  [C_0402_1005Metric]  32.58 33.71 90 top
C19#4  100n  [C_0402_1005Metric]  15.98 49.33 270 top
C19#5  100n  [C_0402_1005Metric]  34.77 49.33 270 top
C19#6  100n  [C_0402_1005Metric]  53.55 49.33 270 top
C19#7  100n  [C_0402_1005Metric]  88.92 33.71 90 top
C19#8  100n  [C_0402_1005Metric]  13.8 33.71 90 top
C19#9  100n  [C_0402_1005Metric]  70.14 33.71 90 top
C19#10  100n  [C_0402_1005Metric]  91.11 49.33 270 top
D1  Power LED  [D_0402_1005Metric]  84.28 21.11 90 top
D1#2  Power LED  [D_0402_1005Metric]  46.72 21.11 90 top
D1#3  Power LED  [D_0402_1005Metric]  27.94 21.11 90 top
D1#4  Power LED  [D_0402_1005Metric]  65.5 21.11 90 top
D1#5  Power LED  [D_0402_1005Metric]  20.62 61.93 270 top
D1#6  Power LED  [D_0402_1005Metric]  39.41 61.93 270 top
D1#7  Power LED  [D_0402_1005Metric]  58.19 61.93 270 top
D1#8  Power LED  [D_0402_1005Metric]  95.75 61.93 270 top
D1#9  Power LED  [D_0402_1005Metric]  76.97 61.93 270 top
D1#10  Power LED  [D_0402_1005Metric]  9.16 21.11 90 top
D2  User LED  [D_0402_1005Metric]  85.17 21.12 90 top
D2#2  User LED  [D_0402_1005Metric]  19.73 61.92 270 top
D2#3  User LED  [D_0402_1005Metric]  28.83 21.12 90 top
D2#4  User LED  [D_0402_1005Metric]  57.3 61.92 270 top
D2#5  User LED  [D_0402_1005Metric]  47.6 21.12 90 top
D2#6  User LED  [D_0402_1005Metric]  94.86 61.92 270 top
D2#7  User LED  [D_0402_1005Metric]  10.05 21.12 90 top
D2#8  User LED  [D_0402_1005Metric]  38.52 61.92 270 top
D2#9  User LED  [D_0402_1005Metric]  76.08 61.92 270 top
D2#10  User LED  [D_0402_1005Metric]  66.39 21.12 90 top
F1  500mA  [Fuse_0603_1608Metric]  86.02 14.86 180 top
F1#2  500mA  [Fuse_0603_1608Metric]  37.66 68.18 0 top
F1#3  500mA  [Fuse_0603_1608Metric]  10.89 14.86 180 top
F1#4  500mA  [Fuse_0603_1608Metric]  18.88 68.18 0 top
F1#5  500mA  [Fuse_0603_1608Metric]  67.23 14.86 180 top
F1#6  500mA  [Fuse_0603_1608Metric]  94 68.18 0 top
F1#7  500mA  [Fuse_0603_1608Metric]  56.44 68.18 0 top
F1#8  500mA  [Fuse_0603_1608Metric]  75.22 68.18 0 top
F1#9  500mA  [Fuse_0603_1608Metric]  48.45 14.86 180 top
F1#10  500mA  [Fuse_0603_1608Metric]  29.67 14.86 180 top
FB1  600R  [R_0402_1005Metric]  28.1 9.34 270 top
FB1#2  600R  [R_0402_1005Metric]  84.44 9.34 270 top
FB1#3  600R  [R_0402_1005Metric]  20.45 73.7 90 top
FB1#4  600R  [R_0402_1005Metric]  46.88 9.34 270 top
FB1#5  600R  [R_0402_1005Metric]  58.02 73.7 90 top
FB1#6  600R  [R_0402_1005Metric]  39.23 73.7 90 top
FB1#7  600R  [R_0402_1005Metric]  9.32 9.34 270 top
FB1#8  600R  [R_0402_1005Metric]  95.58 73.7 90 top
FB1#9  600R  [R_0402_1005Metric]  76.8 73.7 90 top
FB1#10  600R  [R_0402_1005Metric]  65.67 9.34 270 top
J1  USB_C_Receptacle_USB2.0  [GT-USB-7014C]  52.44 77.9 180 top
J1#2  USB_C_Receptacle_USB2.0  [GT-USB-7014C]  90.02 5.14 0 top
J1#3  USB_C_Receptacle_USB2.0  [GT-USB-7014C]  90 77.9 180 top
J1#4  USB_C_Receptacle_USB2.0  [GT-USB-7014C]  52.45 5.14 0 top
J1#5  USB_C_Receptacle_USB2.0  [GT-USB-7014C]  14.89 77.9 180 top
J1#6  USB_C_Receptacle_USB2.0  [GT-USB-7014C]  71.23 5.14 0 top
J1#7  USB_C_Receptacle_USB2.0  [GT-USB-7014C]  33.67 5.14 0 top
J1#8  USB_C_Receptacle_USB2.0  [GT-USB-7014C]  71.22 77.9 180 top
J1#9  USB_C_Receptacle_USB2.0  [GT-USB-7014C]  33.66 77.9 180 top
J1#10  USB_C_Receptacle_USB2.0  [GT-USB-7014C]  14.89 5.14 0 top
J2  helios-pinout  [helios]  33.67 23.78 180 top
J2#2  helios-pinout  [helios]  71.23 23.78 180 top
J2#3  helios-pinout  [helios]  90.01 23.78 180 top
J2#4  helios-pinout  [helios]  71.23 59.26 0 top
J2#5  helios-pinout  [helios]  52.45 59.26 0 top
J2#6  helios-pinout  [helios]  14.89 59.26 0 top
J2#7  helios-pinout  [helios]  14.89 23.78 180 top
J2#8  helios-pinout  [helios]  90.01 59.26 0 top
J2#9  helios-pinout  [helios]  33.67 59.26 0 top
J2#10  helios-pinout  [helios]  52.45 23.78 180 top
JP1  SolderJumper_2_Open  [SolderJumper-2_P1.3mm_Open_TrianglePad1.0x1.5mm]  76.97 18.74 90 top
JP1#2  SolderJumper_2_Open  [SolderJumper-2_P1.3mm_Open_TrianglePad1.0x1.5mm]  95.75 18.74 90 top
JP1#3  SolderJumper_2_Open  [SolderJumper-2_P1.3mm_Open_TrianglePad1.0x1.5mm]  46.7 64.3 270 top
JP1#4  SolderJumper_2_Open  [SolderJumper-2_P1.3mm_Open_TrianglePad1.0x1.5mm]  84.27 64.3 270 top
JP1#5  SolderJumper_2_Open  [SolderJumper-2_P1.3mm_Open_TrianglePad1.0x1.5mm]  20.63 18.74 90 top
JP1#6  SolderJumper_2_Open  [SolderJumper-2_P1.3mm_Open_TrianglePad1.0x1.5mm]  65.48 64.3 270 top
JP1#7  SolderJumper_2_Open  [SolderJumper-2_P1.3mm_Open_TrianglePad1.0x1.5mm]  9.14 64.3 270 top
JP1#8  SolderJumper_2_Open  [SolderJumper-2_P1.3mm_Open_TrianglePad1.0x1.5mm]  58.19 18.74 90 top
JP1#9  SolderJumper_2_Open  [SolderJumper-2_P1.3mm_Open_TrianglePad1.0x1.5mm]  39.41 18.74 90 top
JP1#10  SolderJumper_2_Open  [SolderJumper-2_P1.3mm_Open_TrianglePad1.0x1.5mm]  27.92 64.3 270 top
Q1  2N7002VC-  [SOT-563]  18.56 48.33 270 top
Q1#2  2N7002VC-  [SOT-563]  86.34 34.71 90 top
Q1#3  2N7002VC-  [SOT-563]  30 34.71 90 top
Q1#4  2N7002VC-  [SOT-563]  37.34 48.33 270 top
Q1#5  2N7002VC-  [SOT-563]  67.56 34.71 90 top
Q1#6  2N7002VC-  [SOT-563]  74.9 48.33 270 top
Q1#7  2N7002VC-  [SOT-563]  48.78 34.71 90 top
Q1#8  2N7002VC-  [SOT-563]  11.22 34.71 90 top
Q1#9  2N7002VC-  [SOT-563]  56.12 48.33 270 top
Q1#10  2N7002VC-  [SOT-563]  93.68 48.33 270 top
Q2  2N7002VC-  [SOT-563]  37 16.29 270 top
Q2#2  2N7002VC-  [SOT-563]  11.56 66.76 90 top
Q2#3  2N7002VC-  [SOT-563]  55.78 16.29 270 top
Q2#4  2N7002VC-  [SOT-563]  67.9 66.76 90 top
Q2#5  2N7002VC-  [SOT-563]  86.68 66.76 90 top
Q2#6  2N7002VC-  [SOT-563]  49.12 66.76 90 top
Q2#7  2N7002VC-  [SOT-563]  18.22 16.29 270 top
Q2#8  2N7002VC-  [SOT-563]  74.56 16.29 270 top
Q2#9  2N7002VC-  [SOT-563]  93.34 16.29 270 top
Q2#10  2N7002VC-  [SOT-563]  30.34 66.76 90 top
R1  10k  [R_0402_1005Metric]  74.85 46.66 0 top
R1#2  10k  [R_0402_1005Metric]  93.63 46.66 0 top
R1#3  10k  [R_0402_1005Metric]  56.07 46.66 0 top
R1#4  10k  [R_0402_1005Metric]  48.83 36.39 180 top
R1#5  10k  [R_0402_1005Metric]  67.61 36.39 180 top
R1#6  10k  [R_0402_1005Metric]  30.05 36.39 180 top
R1#7  10k  [R_0402_1005Metric]  86.39 36.39 180 top
R1#8  10k  [R_0402_1005Metric]  37.29 46.66 0 top
R1#9  10k  [R_0402_1005Metric]  11.27 36.39 180 top
R1#10  10k  [R_0402_1005Metric]  18.51 46.66 0 top
R2  10k  [R_0402_1005Metric]  12.79 66.28 90 top
R2#2  10k  [R_0402_1005Metric]  35.77 16.76 270 top
R2#3  10k  [R_0402_1005Metric]  87.91 66.28 90 top
R2#4  10k  [R_0402_1005Metric]  17 16.76 270 top
R2#5  10k  [R_0402_1005Metric]  54.56 16.76 270 top
R2#6  10k  [R_0402_1005Metric]  92.11 16.76 270 top
R2#7  10k  [R_0402_1005Metric]  50.34 66.28 90 top
R2#8  10k  [R_0402_1005Metric]  31.56 66.28 90 top
R2#9  10k  [R_0402_1005Metric]  69.12 66.28 90 top
R2#10  10k  [R_0402_1005Metric]  73.33 16.76 270 top
R3  10k  [R_0402_1005Metric]  50.58 35.81 270 top
R3#2  10k  [R_0402_1005Metric]  54.32 47.23 90 top
R3#3  10k  [R_0402_1005Metric]  73.1 47.23 90 top
R3#4  10k  [R_0402_1005Metric]  91.88 47.23 90 top
R3#5  10k  [R_0402_1005Metric]  88.14 35.81 270 top
R3#6  10k  [R_0402_1005Metric]  16.76 47.23 90 top
R3#7  10k  [R_0402_1005Metric]  13.02 35.81 270 top
R3#8  10k  [R_0402_1005Metric]  31.8 35.81 270 top
R3#9  10k  [R_0402_1005Metric]  35.54 47.23 90 top
R3#10  10k  [R_0402_1005Metric]  69.36 35.81 270 top
R4  51K  [R_0402_1005Metric]  57 16.48 270 top
R4#2  51K  [R_0402_1005Metric]  94.56 16.48 270 top
R4#3  51K  [R_0402_1005Metric]  10.34 66.56 90 top
R4#4  51K  [R_0402_1005Metric]  47.9 66.56 90 top
R4#5  51K  [R_0402_1005Metric]  75.78 16.48 270 top
R4#6  51K  [R_0402_1005Metric]  66.67 66.56 90 top
R4#7  51K  [R_0402_1005Metric]  85.45 66.56 90 top
R4#8  51K  [R_0402_1005Metric]  29.12 66.56 90 top
R4#9  51K  [R_0402_1005Metric]  38.23 16.48 270 top
R4#10  51K  [R_0402_1005Metric]  19.45 16.48 270 top
R5  51K  [R_0402_1005Metric]  9.84 67.91 180 top
R5#2  51K  [R_0402_1005Metric]  57.5 15.14 0 top
R5#3  51K  [R_0402_1005Metric]  66.17 67.91 180 top
R5#4  51K  [R_0402_1005Metric]  84.95 67.91 180 top
R5#5  51K  [R_0402_1005Metric]  28.62 67.91 180 top
R5#6  51K  [R_0402_1005Metric]  47.4 67.91 180 top
R5#7  51K  [R_0402_1005Metric]  95.06 15.14 0 top
R5#8  51K  [R_0402_1005Metric]  38.73 15.14 0 top
R5#9  51K  [R_0402_1005Metric]  19.95 15.14 0 top
R5#10  51K  [R_0402_1005Metric]  76.28 15.14 0 top
R6  51K  [R_0402_1005Metric]  58.03 16.48 90 top
R6#2  51K  [R_0402_1005Metric]  76.81 16.48 90 top
R6#3  51K  [R_0402_1005Metric]  84.43 66.56 270 top
R6#4  51K  [R_0402_1005Metric]  95.59 16.48 90 top
R6#5  51K  [R_0402_1005Metric]  9.31 66.56 270 top
R6#6  51K  [R_0402_1005Metric]  65.65 66.56 270 top
R6#7  51K  [R_0402_1005Metric]  28.09 66.56 270 top
R6#8  51K  [R_0402_1005Metric]  46.87 66.56 270 top
R6#9  51K  [R_0402_1005Metric]  39.25 16.48 90 top
R6#10  51K  [R_0402_1005Metric]  20.47 16.48 90 top
R7  5k1  [R_0402_1005Metric]  48.38 12.96 90 top
R7#2  5k1  [R_0402_1005Metric]  29.6 12.96 90 top
R7#3  5k1  [R_0402_1005Metric]  94.08 70.08 270 top
R7#4  5k1  [R_0402_1005Metric]  18.95 70.08 270 top
R7#5  5k1  [R_0402_1005Metric]  10.82 12.96 90 top
R7#6  5k1  [R_0402_1005Metric]  75.3 70.08 270 top